# KiCad board EBAZ4205.kicad_pcb (continued)
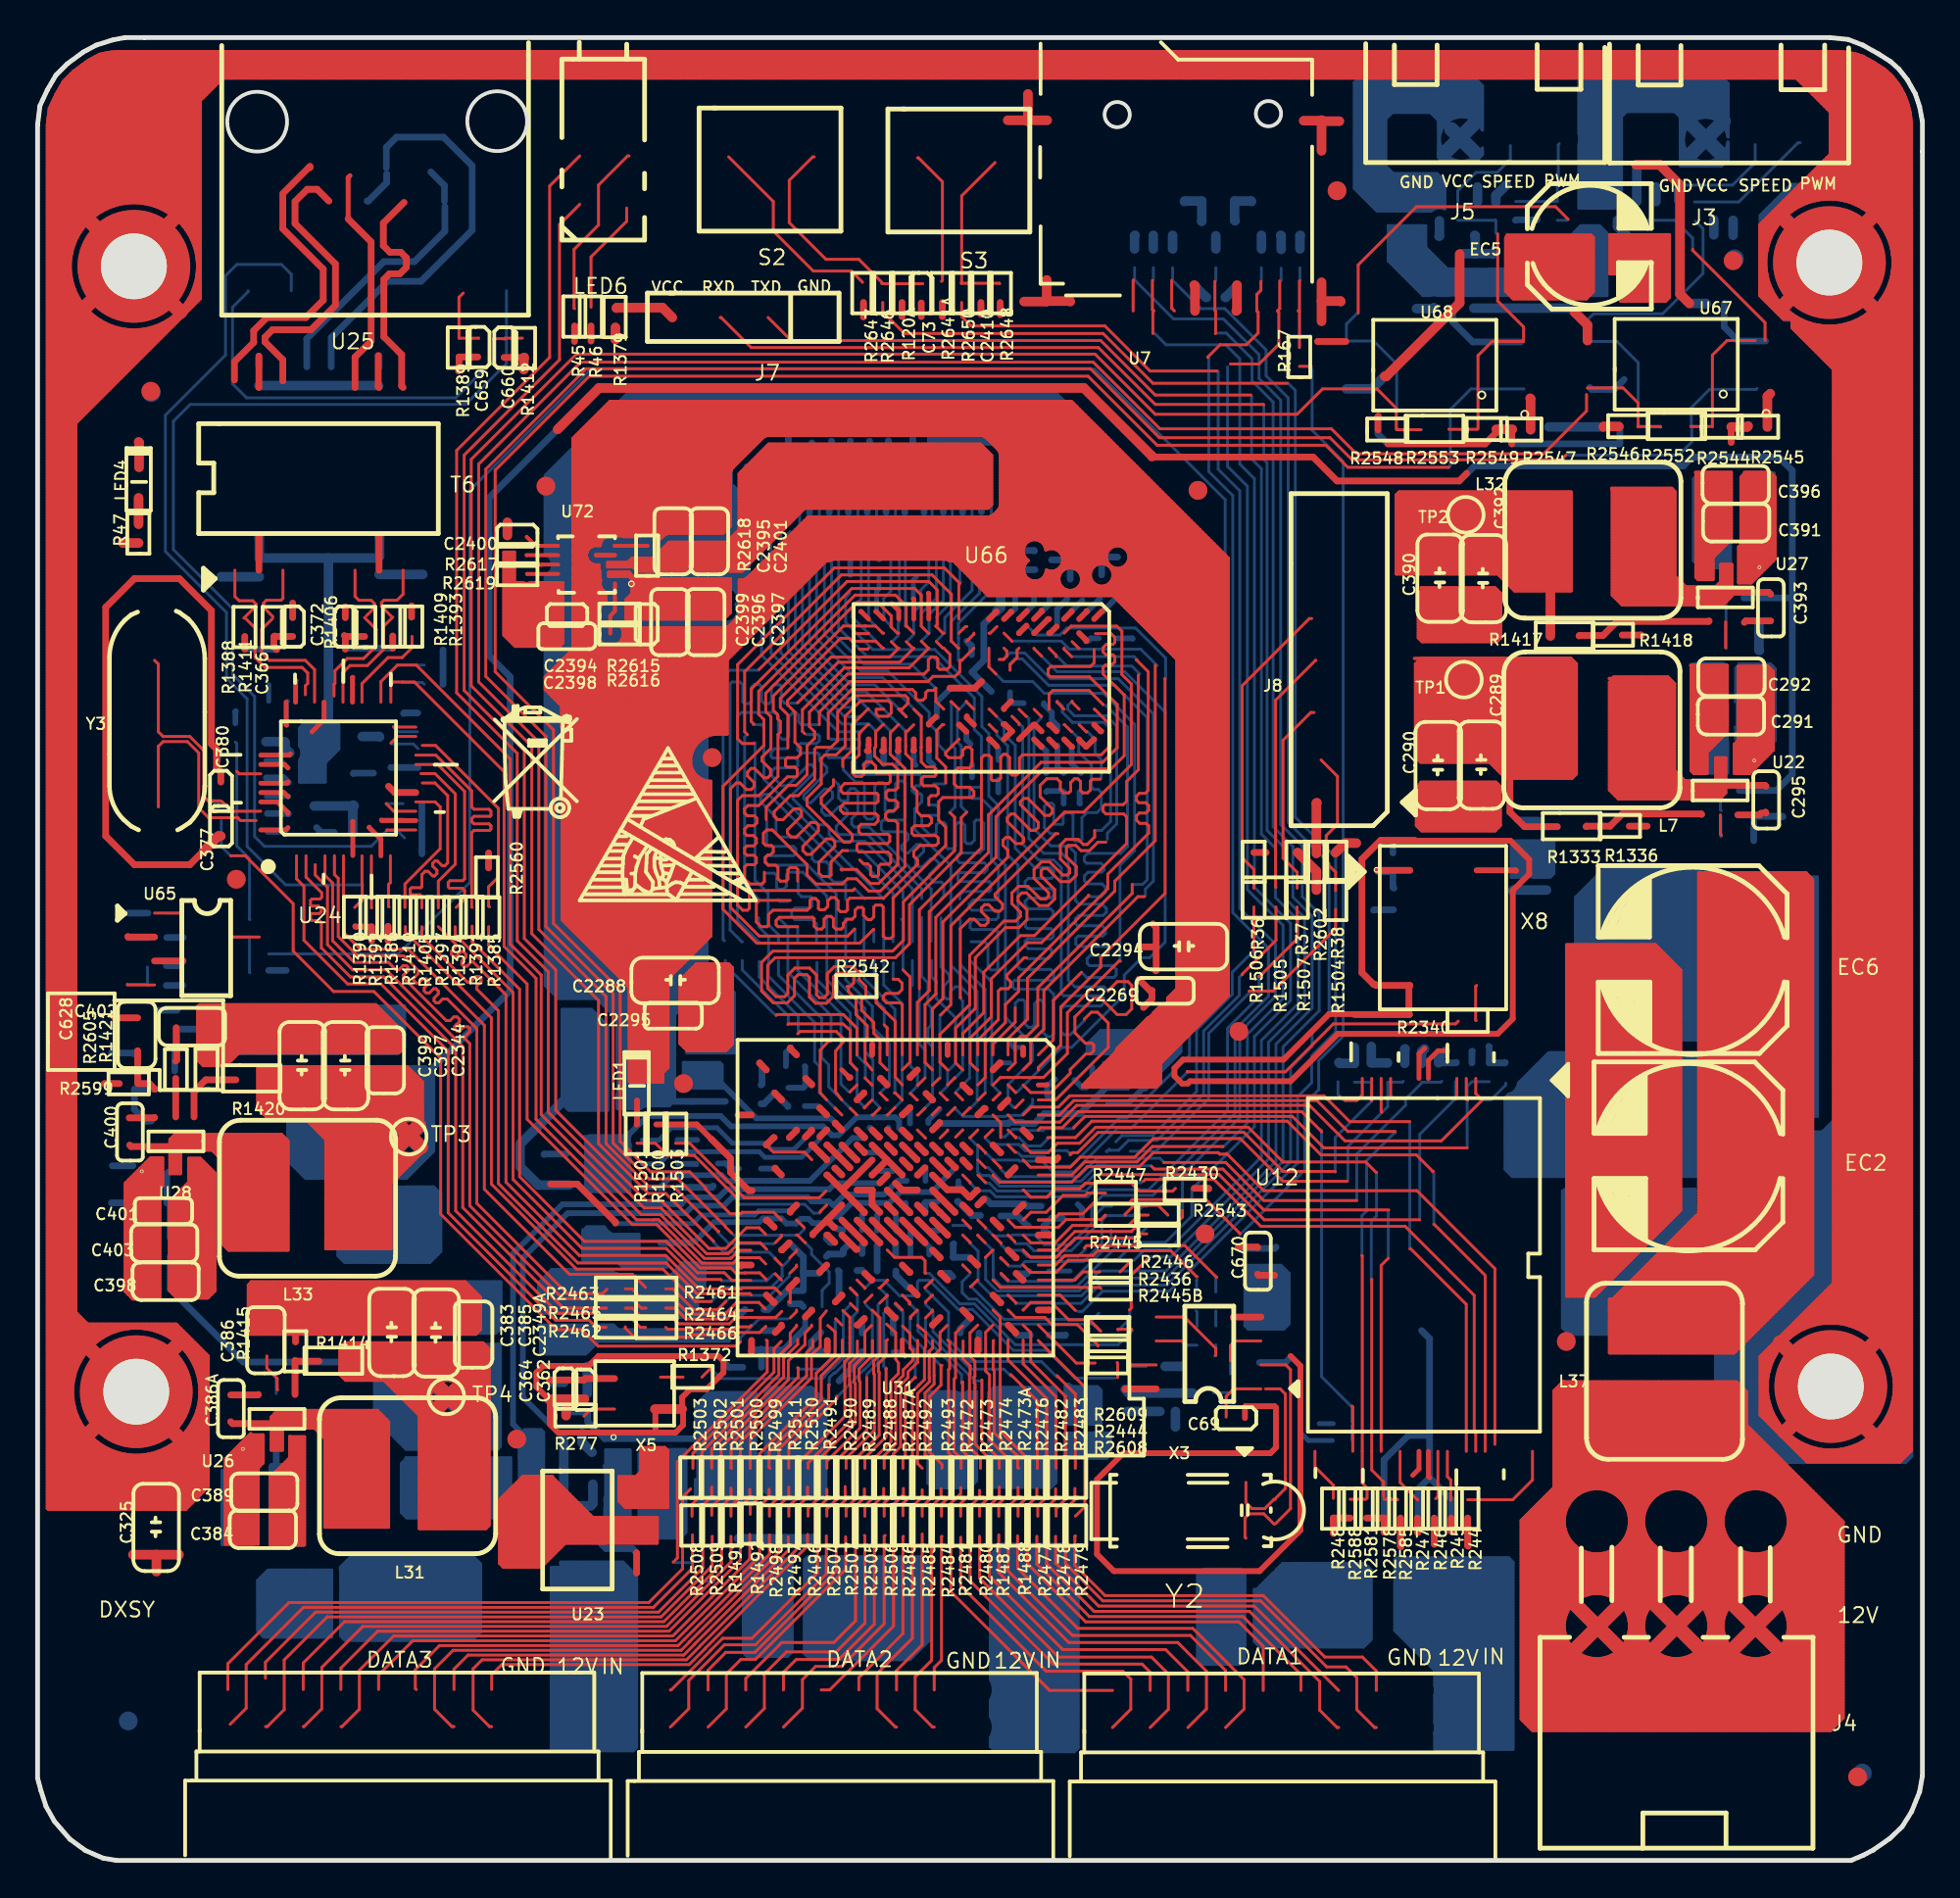
[diagram p0: board, top side]
## Routing (per net, layer and track width the routed paths; a pad name or vN(x,y) marks a point on that pad's centre or on a via; arc(x,y) is an arc through that point) (continued)
17.75,8.26 ; 59.41,0.53 59.41,6.17 ; 49.37,9.94 49.37,25.11 ; 2.94,33.42 7.81,33.42 ; 57.25,26.02 57.25,31.57 ; 21,6.75 21.31,6.75 ; 2.91,41.17 3.2,41.17 ; 2.81,71.27 8.27,71.27 ; 41.42,74.57 41.83,74.57 ; 40.09,59.58 40.79,59.58 ; 20.42,39.13 20.42,70.75 ; 41.12,91.63 41.12,95.51 ; 12.29,10.01 12.29,70.75 ; 52.97,24.02 69.59,24.02 ; 40.48,91.17 40.48,95.58 ; 2.95,30.37 8.33,30.37 ; 52.65,9.04 56.27,9.04 ; 57.25,45.99 64.2,45.99 ; 36.61,89.05 41.41,89.05 ; 51.53,33.93 73.2,33.93 ; 88.36,71.2 88.36,71.33 ; 50.64,32.44 50.64,32.55 ; 4.8,0.55 4.8,17.49 ; 61.56,7.93 61.56,8.19 ; 16.73,64.64 16.73,70.75 ; 44.66,46.76 45.16,46.76 ; 22.83,7.77 22.83,8.46 ; 35.53,24.88 35.53,26.04 ; 19.65,63.93 19.65,70.75 ; 14.96,90.89 14.96,96.32 ; 73.46,8.15 75.03,8.15 ; 19.78,0.54 19.78,6.27 ; 19.91,90.72 19.91,96.32 ; 30.7,0.54 30.7,33.53 ; 70.2,62.22 70.2,63.05 ; 11.84,84.22 12.86,84.22 ; 41.12,88.39 41.12,89.72 ; 68.39,51.46 82.43,51.46 ; 49.8,65.81 50.68,65.81 ; 43.4,75.08 43.4,87.02 ; 76.61,62.25 88.21,62.25 ; 2.26,2.94 2.26,17.44 ; 50.63,8.91 50.81,8.91 ; 45.45,74.57 45.86,74.57 ; 55.85,60.47 55.85,64.51 ; 61.99,94.89 69.87,94.89 ; 76.04,38.32 76.04,40.06 ; 62.45,0.53 62.45,6.55 ; 70.71,72.42 70.71,88.52 ; 61.28,34.44 71.55,34.44 ; 62.07,80.34 62.07,86.88 ; 73.37,39.14 85.48,39.14 ; 45.33,58.95 46.23,58.95 ; 19.65,9.88 19.65,13.86 ; 25.24,7.16 25.24,9.07 ; 19.08,7.13 19.23,7.13 ; 85.82,51.58 93.14,51.58 ; 67.28,56.78 67.28,58.36 ; 6.57,29.37 6.57,40.83 ; 51.57,37.1 58.91,37.1 ; 72.36,69.66 72.36,69.92 ; 74.13,60.6 74.38,60.6 ; 54.14,33.04 63.73,33.04 ; 69,71.39 69.65,71.39 ; 19.61,62.38 47.41,62.38 ; 88.94,71.14 93.09,71.14 ; 44.28,81.94 47.84,81.94 ; 32.35,21.94 32.35,87.85 ; 48.24,72.79 49.16,72.79 ; 47.59,33.04 47.59,36.74 ; 31.99,88.92 34.3,88.92 ; 75,17.8 73.63,17.8 73.63,27.81 ; 62.84,78.89 66.21,78.89 ; 65.14,95.65 69.86,95.65 ; 46.58,41.21 46.58,46.21 ; 50.62,9.29 50.82,9.29 ; 70.2,35.52 70.2,42.9 ; 37.42,89.94 40.68,89.94 ; 19.81,62.63 47.48,62.63 ; 60.04,0.53 60.04,6.67 ; 2.84,63.14 38.11,63.14 ; 45.69,65.17 45.69,65.44 ; 51.4,7.97 51.4,8.2 ; 19.27,64.66 21.26,64.66 ; 67.5,13.23 79.63,13.23 ; 37.69,0.54 37.69,6.17 ; 87.84,49.68 93.14,49.68 ; 25.62,9.85 25.62,64.47 ; 27.13,20.21 33.02,20.21 ; 61.52,9.93 62.91,9.93 ; 50.77,36.28 50.77,36.73 ; 43.95,59.71 44.57,59.71 ; 16.56,9.93 17.73,9.93 ; 53.69,38.86 53.69,40.91 ; 50.78,37.1 50.93,37.1 ; 52.38,29.48 54.93,29.48 ; 69.9,8.4 70.57,8.4 ; 40.36,43.5 40.36,43.62 ; 63.22,79.94 63.22,95.3 ; 59.28,50.24 59.28,51.19 ; 44.55,41.88 44.55,46.73 ; 23,7.51 23.32,7.51 ; 35.4,0.54 35.4,6.21 ; 44.42,49.94 44.42,59.76 ; 24.23,81.39 24.23,82.97 ; 52.13,25.67 53.88,25.67 ; 47.85,8.02 47.85,8.16 ; 60.29,23.37 60.29,37.03 ; 59.02,37.25 59.02,45.05 ; 2.8,73.68 8.27,73.68 ; 42.67,14.5 42.76,14.5 ; 36.99,29.61 38.82,29.61 ; 5.18,50.31 7.25,50.31 ; 16.48,0.55 16.48,6.26 ; 53.05,24.15 69.56,24.15 ; 76.17,61.7 76.17,61.98 ; 36.55,0.54 36.55,6.76 ; 39.35,74.57 39.76,74.57 ; 41.21,28.98 42.09,28.98 ; 58.39,38.16 58.39,46.57 ; 25.37,65.79 25.37,66 ; 86.71,53.05 86.71,78.15 ; 59,63.01 59.63,63.01 ; 23.21,84.31 23.21,91.19 ; 46.07,89.43 52.05,89.43 ; 12.98,91.21 23.19,91.21 ; 71.47,69.21 71.47,71.26 ; 19.4,40.82 19.4,62.33 ; 7.02,78.89 62.71,78.89 ; 2.87,52.22 17.01,52.22 ; 21.02,9.42 21.29,9.42 ; 14.83,9.72 14.83,59.75 ; 48.86,7.46 48.86,8.72 ; 68.68,7.82 68.68,8.31 ; 57.77,47.52 59.14,47.52 ; 45.27,58.82 46.3,58.82 ; 80.36,76.69 80.36,78.85 ; 20.59,38.88 40.76,38.88 ; 42.01,40.15 42.01,43.3 ; 71.33,40.66 72.39,40.66 ; 57.04,66.57 67.16,66.57 ; 67.91,59.75 67.91,60.45 ; 39.09,33.26 39.09,38.1 ; 10.26,76.56 10.26,91.34 ; 71.2,40.79 72.44,40.79 ; 48.61,9.31 48.61,34.12 ; 62.23,87.52 71.71,87.52 ; 47.72,37.1 47.72,38.2 ; 24.58,80.79 28.19,80.79 ; 26.17,20.34 26.69,20.34 ; 39.59,40.99 39.59,44.29 ; 48.03,65.3 49.31,65.3 ; 48.99,64.92 48.99,67.59 ; 71.34,69.49 71.34,70.98 ; 9.29,94.25 10.92,94.25 ; 44.41,9.67 45,9.67 ; 65.54,77.74 90.04,77.74 ; 25.5,66.65 25.5,82.8 ; 50.52,25.29 51.92,25.29 ; 44.13,61.11 45.91,61.11 ; 20.67,38.37 35.46,38.37 ; 88.86,70.38 89.05,70.38 ; 29.72,40.66 38.88,40.66 ; 67.66,0.53 67.66,6.25 ; 55.34,29.6 55.34,37.63 ; 52.41,29.74 66.08,29.74 ; 33.63,21.1 79.6,21.1 ; 41.05,33.93 47.78,33.93 ; 50.79,37.87 50.89,37.87 ; 43.37,14.5 65.34,14.5 ; 88.74,70.45 88.74,70.53 ; 7.34,29.37 7.34,42.84 ; 50.64,7.01 50.8,7.01 ; 70.96,69.81 70.96,70.66 ; 59.67,86.76 60.11,86.76 ; 48.85,62 49.21,62 ; 16.73,9.81 16.73,54.91 ; 87.22,50.05 87.22,50.53 ; 64.99,84.43 64.99,86.13 ; 53.82,65.77 53.82,68.85 53.44,68.85 ; 42.35,82.19 43.56,82.19 ; 36.16,7.89 37.21,7.89 ; 68.86,59.33 69.79,59.33 ; 23.08,9.16 23.24,9.16 ; 17.11,90.81 17.11,96.32 ; 66.77,9.86 66.77,13.17 ; 48.1,65.15 48.1,65.35 ; 60.93,88.68 60.93,94.53 ; 84.55,75.64 84.55,78.16 ; 83.54,37.22 83.54,50.58 ; 68.36,62.25 70.29,62.25 ; 71.42,61.74 73.96,61.74 ; 67.66,7.89 68.8,7.89 ; 55.85,47.53 55.85,50.99 ; 49.5,29.22 49.5,30.16 ; 14.23,19.96 25.65,19.96 ; 85.67,51.33 93.14,51.33 ; 34.01,0.54 34.01,6.23 ; 56.87,38.23 56.87,45.9 ; 65.63,9.88 65.63,14.26 ; 2.89,46.88 4.48,46.88 ; 19.12,59.71 37.45,59.71 ; 67.03,0.53 67.03,6.17 ; 51.54,38.25 51.76,38.25 ; 6.07,29.37 6.07,40.7 ; 86.08,39.72 86.08,78.15 ; 51.79,29.96 51.79,30.96 ; 65.76,93.89 65.76,95.71 ; 19.66,13.86 42.1,13.86 ; 36.87,88.54 41.15,88.54 ; 14.19,76.56 14.19,82.93 ; 35.02,23.33 35.02,23.81 ; 20.29,63.68 20.29,70.75 ; 18.64,15.88 18.64,39.44 ; 62.33,84.27 62.33,86.35 ; 67.41,79.66 67.41,83.78 ; 11.78,0.55 11.78,6.27 ; 56.42,21.48 56.73,21.48 ; 2.82,67.71 33.17,67.71 ; 75.91,8.4 79.65,8.4 ; 13.18,56.99 13.18,57.79 ; 22.32,10.01 22.32,23.97 ; 68.93,64.26 68.93,66.07 ; 46.71,67.53 46.71,87.26 ; 49.12,38.79 49.12,39.81 ; 49.59,62 51.54,62 ; 20.76,9.8 21.55,9.8 ; 55.25,61.36 56.34,61.36 ; 70.73,31.9 71.51,31.9 ; 8.48,31.28 8.48,31.91 ; 52.99,22.25 56,22.25 ; 13.18,84.42 13.18,91.43 ; 30.83,91.39 30.83,96.32 ; 4.69,70.51 11.39,70.51 ; 12.03,76.56 12.03,79.8 ; 46.97,58.95 47.93,58.95 ; 7.08,0.55 7.08,17.51 ; 25.83,83.84 58.05,83.84 ; 46.2,29.2 46.2,29.32 ; 13.64,60.47 18.58,60.47 ; 50.01,7.98 50.01,8.19 ; 40.61,9.21 40.61,25.86 ; 22.4,8.02 23.92,8.02 ; 22.68,7.89 23.65,7.89 ; 26.82,64.79 43.54,64.79 ; 36.42,0.54 36.42,6.54 ; 72.99,72.74 72.99,82.5 ; 40.26,31.01 41.29,31.01 ; 39.34,38.84 39.34,40.47 ; 34.47,9.55 34.88,9.55 ; 75.56,9.93 79.64,9.93 ; 70.58,72.43 70.58,82.13 ; 61.69,84.22 61.69,86.95 ; 62.91,84.35 64.84,84.35 ; 38.07,60.86 38.07,63.19 ; 47.09,25.86 47.09,28.52 ; 60.29,21.08 60.29,22.78 ; 70.87,32.15 71.49,32.15 ; 35.15,89.53 35.15,96.14 ; 50.64,25.61 50.64,31.76 ; 15.97,89.11 15.97,89.35 ; 7.72,34.04 7.72,42.99 ; 69.69,69.25 69.69,71.21 ; 37.01,46.38 46.53,46.38 ; 25.24,84.43 25.24,90.88 ; 63.52,9.93 64.92,9.93 ; 45.82,38.83 45.82,39.73 ; 47.09,46.76 58.23,46.76 ; 42.9,0.54 42.9,6.64 ; 90.5,75.59 92.23,75.59 ; 61.11,20.59 73.75,20.59 ; 48.19,37.23 48.68,37.23 ; 46.45,89.21 46.45,89.72 ; 70.45,43.38 70.45,53.87 ; 88.8,69.74 89.29,69.74 ; 37.18,27.93 37.18,33.2 ; 2.85,58.57 18.77,58.57 ; 58.52,36.31 58.52,37.71 ; 53,24.53 69.78,24.53 ; 68.99,64.03 69.66,64.03 ; 60.42,86.89 60.42,94.36 ; 84.3,75.84 84.3,78.16 ; 40.21,32.41 47.83,32.41 ; 45.44,44.56 45.44,46.52 ; 54.58,54.93 54.58,59.19 ; 20.8,9.77 20.8,70.75 ; 44.61,9.29 44.81,9.29 ; 1.91,9.67 9.39,9.67 ; 44.8,47.41 44.8,49.3 86.46,49.3 ; 48.39,26.06 51.44,26.06 ; 18,76.56 18,79.73 ; 51.59,32.28 55.61,32.28 ; 51.91,41.24 51.91,45 ; 65.37,84.33 65.37,86.2 ; 13.3,60.81 13.3,70.75 ; 41.86,31.01 43.71,31.01 ; 59.79,17.69 59.79,19.51 ; 59.7,84.22 59.98,84.22 ; 49.12,25.84 49.12,34.19 ; 65.88,31.54 65.88,83.75 ; 1.89,6.5 9.44,6.5 ; 36.9,88.41 41.12,88.41 ; 71.25,60.73 73.49,60.73 ; 13.02,7.39 13.25,7.39 ; 21.05,9.33 21.05,24.22 ; 20.16,90.92 20.16,96.32 ; 46.77,41.04 46.86,41.04 ; 11.78,9.96 11.78,70.06 ; 2.82,67.58 33.2,67.58 ; 66.52,86.64 66.52,95.79 ; 67.66,72.33 67.66,79.15 ; 52.29,38.82 52.29,39.79 ; 8.82,17.55 13.01,17.55 ; 56.1,51.73 56.1,54.46 ; 58.98,48.53 64.35,48.53 ; 27.09,7.01 27.25,7.01 ; 45.82,10 45.82,26.64 ; 86.84,53.05 86.84,78.15 ; 16.75,8.4 17.54,8.4 ; 42.43,72.16 42.82,72.16 ; 87.77,52.22 93.14,52.22 ; 2.9,43.33 7.02,43.33 ; 58.14,28.63 58.14,28.91 ; 65.76,15.04 65.76,17.34 ; 76.68,40.82 76.68,60.73 ; 83.41,52.03 83.41,75.92 ; 83.15,36.85 83.15,50.68 ; 45.18,40.22 45.18,40.59 ; 50.13,36.29 50.13,36.66 ; 43.91,29.23 43.91,29.33 ; 45.44,72.67 45.44,74.55 ; 88.75,63.39 93.11,63.39 ; 21.18,76.56 21.18,87.53 ; 81.76,36.01 81.76,78.18 ; 33.12,0.54 33.12,6.36 ; 86.84,40.46 86.84,48.67 ; 10.12,23.52 35.24,23.52 ; 9.29,92.73 9.82,92.73 ; 43.15,49.8 43.15,51.5 ; 3.77,41.68 28.57,41.68 ; 44.27,72.79 45.11,72.79 ; 43.91,53.62 43.91,59.7 ; 37.06,81.55 38.14,81.55 ; 36.26,44.09 40.07,44.09 ; 23.97,0.54 23.97,6.22 ; 69.69,9.86 69.69,23.88 ; 53.06,0.53 53.06,21.86 ; 48.1,45.42 48.1,57.03 ; 37.3,36.72 42.86,36.72 ; 44.38,32.79 45.22,32.79 ; 66.01,0.53 66.01,6.58 ; 61.39,88.16 71.07,88.16 ; 48.48,75.07 48.48,81.97 ; 69.95,62.05 69.95,63.22 ; 90.77,44.33 90.77,77.02 ; 14.97,60.22 18.58,60.22 ; 71.34,72.03 72.25,72.03 ; 76.24,62 87.97,62 ; 76.93,71.65 88.18,71.65 ; 41.76,60.09 41.93,60.09 ; 68.96,58.57 69.69,58.57 ; 37.82,9.99 37.82,26.72 ; 39.85,59.61 39.85,72.04 ; 34.26,7.82 34.26,8.35 ; 2.93,35.2 37.13,35.2 ; 85.06,38.72 85.06,50.78 ; 72.87,72.65 72.87,86.36 ; 12.29,94.32 12.29,96.32 ; 48.35,39.9 48.47,39.9 ; 43.49,53.74 64.99,53.74 ; 35.02,44.28 35.02,67.45 ; 8.11,46.5 36.26,46.5 ; 33.37,82.96 33.37,96.32 ; 45.14,35.83 45.32,35.83 ; 56.31,51.46 58.54,51.46 ; 28.92,80.67 29.12,80.67 ; 42.91,24.79 51.67,24.79 ; 17.75,80.22 17.75,87.42 ; 72.69,71.39 73,71.39 ; 48.33,72.03 49.07,72.03 ; 53.74,88.92 70.31,88.92 ; 49.5,8 49.5,8.17 ; 66.27,86.13 67.08,86.13 ; 57.5,7.95 57.5,8.17 ; 15.59,89.25 15.59,90.05 ; 8.55,80.41 11.53,80.41 ; 17.07,9.16 17.22,9.16 ; 83.03,36.72 83.03,50.66 ; 17.62,76.56 17.62,87.4 ; 62.37,95.02 69.86,95.02 ; 23.59,94.23 23.59,96.32 ; 27.27,25.97 27.27,26.98 ; 49.94,35.83 50.12,35.83 ; 71.72,77 71.72,78.61 ; 53.94,41.63 53.94,54.48 ; 9.29,89.43 13.84,89.43 ; 52.93,48.3 52.93,60.65 ; 13.1,91.33 23.06,91.33 ; 67.79,7.82 67.79,8.31 ; 44.29,72.78 44.29,74.46 ; 2.89,46.38 4.47,46.38 ; 56.86,36.34 58.54,36.34 ; 36.29,29.96 36.29,30.49 ; 1.95,17.04 13.61,17.04 ; 35.66,22.88 51.73,22.88 ; 67.31,83.71 75.51,83.71 ; 56.99,54.58 56.99,60.07 ; 47.79,90.44 50.41,90.44 ; 44.1,29.23 46.24,29.23 ; 65.37,7.99 65.37,8.13 ; 45.63,64.54 46.02,64.54 ; 54.71,68.51 54.71,94.08 ; 28.67,0.54 28.67,6.34 ; 35.42,22.75 51.68,22.75 ; 27.02,7.5 27.02,8.73 ; 30.5,33.29 35.64,33.29 ; 64.32,33.55 74.05,33.55 ; 42.9,72.72 42.9,74.48 ; 42.77,29.06 42.77,32.71 ; 20.29,8.04 20.29,8.18 ; 72.04,32.41 72.66,32.41 ; 43.23,54.12 56.51,54.12 ; 41.63,91.61 41.63,95.46 ; 4.16,1 4.16,17.48 ; 70.35,54.5 89.21,54.5 ; 13.43,7.73 13.43,8.5 ; 63.34,38.29 63.34,79.25 ; 51.4,59.08 53.14,59.08 ; 14.98,7.51 15.3,7.51 ; 52.79,22.37 55.91,22.37 ; 46.07,75.18 46.07,86.77 ; 19.4,7.67 19.4,8.56 ; 38.2,7.88 38.2,8.3 ; 51.15,60.45 51.15,60.53 ; 57.2,22.75 60.32,22.75 ; 50.01,31.39 50.01,31.97 ; 61.44,31.37 61.44,41.71 ; 71.09,9.97 71.09,30.54 ; 2.94,32.79 8.33,32.79 ; 10.64,9.87 10.64,49 ; 28.16,0.54 28.16,6.2 ; 58.39,26.62 58.39,27.89 ; 12.84,91.08 23.34,91.08 ; 45.9,47.01 45.99,47.01 ; 48.71,62.76 49.83,62.76 ; 45.73,32.53 47.08,32.53 47.09,31.64 44.04,31.64 ; 65.76,31.54 65.76,53.55 ; 72.99,69.72 72.99,69.95 ; 12.03,70.75 17.92,70.75 ; 55.22,59.58 67.53,59.58 ; 30.7,91.24 30.7,96.32 ; 47.31,65.43 47.53,65.43 ; 67.58,86.38 72.85,86.38 ; 60.29,37.42 60.29,62.61 ; 24.61,0.54 24.61,6.31 ; 42.9,54.09 42.9,57.83 ; 20.16,8.05 20.16,8.17 ; 30.2,33.86 30.2,96.32 ; 15.97,76.56 15.97,87.54 ; 2.92,37.49 43.66,37.49 ; 13.36,91.71 22.8,91.71 ; 53.82,64.17 53.82,65.58 ; 24.6,81.17 28.35,81.17 ; 71.63,76.6 80.17,76.6 ; 49.33,72.03 50.12,72.03 ; 42.01,75.2 42.01,81.4 ; 10.51,94 10.51,96.32 ; 19.78,7.98 19.78,8.25 ; 40.61,44.36 40.61,49.29 ; 70.84,32.36 70.84,40.09 ; 48.29,6.37 49.15,6.37 ; 89.01,71.01 93.09,71.01 ; 70.71,32.52 70.71,40.19 ; 52.42,61.24 52.42,65.38 ; 39.46,29.99 43.01,29.99 ; 1.94,16.15 31.55,16.15 ; 52.67,48.44 52.67,60.51 ; 44.67,30.86 44.67,35.71 ; 21.56,64.82 21.56,87.4 ; 48.27,60.85 50.63,60.85 ; 49.72,29.23 54.83,29.23 ; 71.61,36.47 73.94,36.47 ; 29.25,41.42 42.9,41.42 ; 53.2,38.63 53.39,38.63 ; 56.18,32.53 70.26,32.53 ; 84.57,75.59 89.75,75.59 ; 42.03,38.63 43.66,38.63 ; 42.51,7.54 42.51,8.64 ; 64.87,7.93 64.87,8.19 ; 58.26,63.28 58.26,63.61 ; 68.39,68.09 70.26,68.09 ; 49.17,37.1 49.26,37.1 ; 52.41,40.15 69.35,40.15 ; 77.31,0.52 77.31,42.94 ; 41.95,31.39 43.66,31.39 ; 2.95,30.75 8.43,30.75 ; 40.36,26.61 40.36,28.76 ; 10,49.43 10,53.17 ; 78.58,0.52 78.58,52.29 ; 88.94,73.17 93.08,73.17 ; 2.87,53.87 10.23,53.87 ; 36.29,9.77 36.29,23.54 ; 70.62,82.19 77.03,82.19 ; 23.6,83.59 24.02,83.59 ; 26.84,65.55 43.3,65.55 ; 64.99,0.53 64.99,6.18 ; 51.28,60.6 51.6,60.6 ; 4.67,49.55 4.67,50.05 ; 10.26,8.04 10.26,8.18 ; 36.75,82.95 38.45,82.95 ; 10.56,49.42 40.13,49.42 ; 31.59,91.65 31.59,96.32 ; 7.34,0.55 7.34,17.51 ; 9.29,89.05 14.89,89.05 ; 19.15,40.01 19.15,40.26 ; 58.52,29.5 58.52,31.69 ; 55.31,62 67.39,62 ; 73.5,9.94 73.5,17.06 ; 43.53,49.96 43.53,51.34 ; 59.66,63.07 59.66,63.28 ; 13.68,55.14 16.42,55.14 ; 18.92,55.01 38.71,55.01 ; 76.36,74.06 93.08,74.06 ; 1.9,7.89 9.61,7.89 ; 20.42,9.99 20.42,37.87 ; 21.32,74.57 38.75,74.57 ; 19.27,90.69 19.27,96.32 ; 61.44,84.23 61.44,94.71 ; 19.32,60.22 37.51,60.22 ; 47.72,41.9 47.72,44.85 45.17,44.85 ; 60.68,23.45 60.68,27.34 ; 2.82,69.36 52.85,69.36 ; 22.6,25.04 22.86,25.04 ; 68.97,68.73 69.68,68.73 ; 69.81,40.79 70.8,40.79 ; 51.46,33.17 51.76,33.17 ; 45.53,72.28 45.77,72.28 ; 47.18,66.06 49.34,66.06 ; 46.2,7.89 46.2,8.29 ; 26.85,6.5 27.49,6.5 ; 89.54,59.84 93.12,59.84 ; 58.52,49.01 58.52,51.21 ; 49.83,8.02 51.61,8.02 ; 47.59,91.23 47.59,94.83 ; 27.1,7.13 27.25,7.13 ; 1.95,16.66 31.6,16.66 ; 19.27,90.7 19.89,90.7 ; 22.45,6.24 23.88,6.24 ; 10.99,57.93 13,57.93 ; 19.09,58.44 42.52,58.44 ; 32.24,16.53 59.58,16.53 ; 51.64,32.15 57.01,32.15 ; 54.13,38.37 57,38.37 ; 44.55,0.54 44.55,6.71 ; 61.36,27.33 79.58,27.33 ; 42.26,7.84 42.26,8.34 ; 13.42,93.24 22.71,93.24 ; 49.25,64.23 49.25,65.32 ; 40.33,50.82 70.79,50.82 ; 60.55,84.44 60.55,86.14 ; 52.3,90.32 69.9,90.32 ; 37.43,9.97 37.43,27.21 ; 74.14,7.33 74.14,8.8 ; 52.3,90.95 69.89,90.95 ; 33.62,21.11 33.62,21.55 ; 21.95,64.54 25.44,64.54 ; 69.18,37.02 69.18,40.43 ; 29.43,88.87 29.43,90 ; 68.93,59.19 68.93,61.01 ; 18.77,15.89 18.77,39.42 ; 64.88,78.25 66.37,78.25 ; 71.5,56.54 93.12,56.54 ; 48.27,38.76 48.55,38.76 ; 87.35,40.96 87.35,48.66 ; 24.1,83.92 24.1,90.74 ; 2.95,29.99 8.5,29.99 ; 59.75,86.63 60.03,86.63 ; 11.02,7.39 11.24,7.39 ; 63.06,81.17 78.04,81.17 ; 20.04,8.05 20.04,8.18 ; 33.7,20.59 59.54,20.59 ; 34.77,89.38 34.77,96.18 ; 48.23,57.73 48.23,58.59 ; 38.2,9.85 38.2,26.75 ; 46.58,30.85 46.58,36.51 ; 33.62,20.66 33.62,20.93 ; 33.37,22.02 33.37,67.39 ; 71.34,57.23 71.34,58.31 93.12,58.31 ; 55.21,60.42 55.21,61.34 ; 17.04,55.01 18.15,55.01 ; 46.83,0.54 46.83,6.81 ; 55.68,47.65 57.28,47.65 ; 68.75,60.73 69.9,60.73 ; 2.8,74.57 8.27,74.57 ; 68.84,55.77 69.65,55.77 ; 59.28,47.68 59.28,49.46 ; 10,10.02 10,18.77 ; 39.07,52.6 42.39,52.6 ; 40.34,7.77 41.05,7.77 ; 83.58,76.6 91.2,76.6 ; 41.88,60.07 41.88,60.17 ; 76.17,38.31 76.17,40.06 ; 48.64,7.13 48.79,7.13 ; 3.01,29.74 35.46,29.74 ; 51.53,32.35 51.53,32.6 ; 48.61,0.53 48.61,6.86 ; 61.37,27.71 79.58,27.71 ; 50.64,34.02 50.64,34.91 ; 1.88,3.58 79.67,3.58 ; 42.9,37.09 42.9,39.85 ; 39.34,31.64 39.79,31.64 ; 71.33,31.14 79.56,31.14 ; 33.78,19.71 59.6,19.71 ; 20.69,6.37 21.62,6.37 ; 59.28,51.41 59.28,63.28 ; 52.42,37.84 52.42,38.38 ; 42.77,33.09 42.77,39.02 ; 40.77,49.42 43.11,49.42 ; 14.24,16.78 59.47,16.78 ; 2.88,50.57 4.43,50.57 ; 1.88,4.72 79.66,4.72 ; 43.78,61.58 43.78,64.08 ; 36.73,44.98 38.91,44.98 ; 36.75,81.3 38.45,81.3 38.45,63.79 ; 65.12,53.95 65.12,77.1 ; 45.28,72.03 45.96,72.03 ; 62.33,80.39 62.33,81.09 ; 1.88,4.97 79.66,4.97 ; 34.13,68.12 34.13,81.27 ; 13.29,91.59 22.87,91.59 ; 75.92,0.53 75.92,6.43 ; 68.04,52.04 68.04,55.37 ; 18.89,59.86 18.89,59.96 ; 73.31,71.39 75.2,71.39 ; 47.47,38 47.47,38.24 ; 12.95,8.66 13.32,8.66 ; 46.2,37.2 46.2,38.15 ; 46.61,6.88 46.81,6.88 ; 54.33,66.05 54.33,69.11 ; 2.84,63.65 19.51,63.65 ; 53.94,61.95 53.94,63.78 ; 45.46,72.16 45.82,72.16 ; 10.89,60.98 43.41,60.98 ; 37.06,67.2 46.21,67.2 ; 13.69,76.56 13.69,82.64 ; 20.28,63.52 38.03,63.52 ; 74.01,36.97 74.01,60.52 ; 75.64,17.42 79.61,17.42 ; 58.77,63.49 58.77,63.59 ; 64.1,46.41 64.1,46.76 ; 15.21,90.67 15.21,96.32 ; 60.47,84.48 74.75,84.48 ; 7.77,50.06 59.02,50.06 ; 37.43,35.17 37.43,59.73 ; 19.4,15.02 19.4,15.13 ; 61.18,34.9 61.18,41.61 ; 39.39,29.36 42.94,29.36 ; 20.67,7.9 20.67,8.33 ; 69.85,7.77 70.62,7.77 ; 69.67,7.89 70.8,7.89 ; 47.85,26.63 47.85,31.78 ; 59.79,37.58 59.79,47.08 ; 50.9,91.48 50.9,94.48 ; 4.8,47.02 4.8,48.78 ; 49.75,61.82 49.75,65.46 ; 17.06,7.01 17.23,7.01 ; 50.9,60.45 50.9,60.53 ; 52.17,89.47 52.17,90.05 ; 48.61,57.62 48.61,58.7 ; 41.24,0.54 41.24,6.29 ; 56.74,93.55 56.74,93.93 ; 34.51,0.54 34.51,6.7 ; 42.82,39.39 47.67,39.39 ; 18.89,64.92 18.89,70.75 ; 43.41,54 56.56,54 ; 12.92,0.55 12.92,6.64 ; 72.15,7.26 72.34,7.26 ; 72.11,72.52 72.11,75.1 ; 14.07,76.56 14.07,82.82 ; 2.95,30.88 8.37,30.88 ; 47.5,30.75 49.33,30.75 ; 14.75,8.4 15.53,8.4 ; 38.96,31.59 38.96,31.79 ; 61.18,42.39 61.18,83.71 ; 2.91,41.3 3.16,41.3 ; 85.65,51.96 86.38,51.96 ; 22.83,26.3 22.83,82.64 ; 13.06,9.04 13.21,9.04 ; 13.69,84.46 13.69,89.61 ; 14.96,60.24 14.96,70.75 ; 50.65,7.13 50.8,7.13 ; 71.22,9.98 71.22,30.6 ; 44.93,89.38 44.93,95.11 ; 18.26,80.47 18.26,87.74 ; 32.35,88.45 32.35,90.43 ; 41.12,83 41.12,87.91 ; 54.33,69.34 54.33,94.12 ; 44.17,34.86 44.17,37.32 ; 88.87,71.39 93.08,71.39 ; 33.37,9.95 33.37,19.33 ; 22.19,25.46 22.19,82.76 ; 25.86,83.71 59.25,83.71 ; 44.04,82.53 44.04,95.2 ; 34.56,67.58 34.94,67.58 ; 43.97,65.43 44.32,65.43 ; 77.38,61.11 93.11,61.11 ; 12.92,20.1 12.92,25.3 ; 52.29,9.81 52.29,21.97 ; 41.49,74.82 41.73,74.82 ; 63.03,86.25 64.82,86.25 ; 58.4,92.98 64.55,92.98 ; 67.53,72.25 67.53,79.21 ; 2.94,33.04 8.25,33.04 ; 64.24,47.52 93.15,47.52 ; 2.85,58.06 10.22,58.06 ; 40.74,34.03 40.74,38.12 ; 46.2,29.97 46.2,30.16 ; 70.83,32.02 71.48,32.02 ; 59.7,47.01 63.73,47.01 ; 11.53,9.8 11.53,70.14 ; 49.1,41.93 60.79,41.93 ; 68.42,51.78 68.42,55.44 ; 69.74,8.28 70.73,8.28 ; 12.03,0.55 12.03,6.2 ; 76.68,63.32 76.68,70.99 ; 72.26,32.15 79.56,32.15 ; 10.76,64.77 10.76,70.75 ; 17.5,14.53 17.5,15.12 ; 2.85,58.31 10.4,58.31 ; 44.93,75.15 44.93,86.82 ; 9.28,87.14 34.49,87.14 ; 44.29,65.95 44.29,66.26 ; 80.82,76.35 82.93,76.35 ; 50.78,35.83 58.56,35.83 ; 33.24,7.92 33.24,8.25 ; 47.72,10 47.72,31.93 ; 47.21,34.87 47.21,36.48 ; 2.75,2.43 79.67,2.43 ; 24.13,24.4 35.37,24.4 ; 69.06,37.04 69.06,96.04 ; 15.85,89.17 16.46,89.17 ; 53.08,24.28 69.57,24.28 ; 48.74,62.75 48.74,63.67 ; 26.78,66.44 36.28,66.44 ; 35.53,9.99 35.53,22.79 ; 2.88,50.19 4.49,50.19 ; 42.83,39.14 47.68,39.14 ; 75.53,61.62 75.53,62.05 ; 36.12,68.09 48.7,68.09 ; 68.17,0.53 68.17,22.86 ; 19.53,63.75 19.53,70.75 ; 21.18,89.12 21.18,89.37 ; 45.81,46.63 46.6,46.63 ; 74.39,37.05 74.39,60.59 ; 59.34,32.15 70.08,32.15 ; 74.64,34.06 80.31,34.06 ; 87.98,62.01 87.98,63.25 ; 43.44,14.37 65.43,14.37 ; 44.93,59.45 44.93,59.85 ; 2.85,60.47 12.86,60.47 ; 40.98,33.29 45.55,33.29 ; 78.81,55.01 93.13,55.01 ; 59.28,37.34 59.28,47.02 ; 3.79,41.04 5.86,41.04 ; 14.29,18.05 65.34,18.05 ; 6.73,44.98 35.6,44.98 ; 39.72,0.54 39.72,6.17 ; 62.71,38.14 62.71,78.89 ; 89.82,54.25 93.13,54.25 ; 90.39,75.76 90.39,77.4 ; 50.01,34.57 50.01,35.2 ; 37.69,27.87 37.69,59.54 ; 48.1,62.65 48.1,64.6 ; 13.05,7.01 13.22,7.01 ; 32.61,0.54 32.61,20.65 ; 75.64,17.55 79.61,17.55 ; 48.43,39.39 55,39.39 ; 33.62,10 33.62,15.54 ; 16.39,88.16 16.62,88.16 ; 69,56.41 69.65,56.41 ; 67.59,13.36 79.63,13.36 ; 49.88,25.71 49.88,28.54 ; 66.03,6.62 66.42,6.62 ; 43.91,75.14 43.91,81.76 ; 61.31,0.53 61.31,6.15 ; 80.74,34.48 80.74,76.07 ; 52.55,9.5 52.55,21.63 ; 76.62,63.39 87.96,63.39 ; 52.55,23.53 52.55,23.92 ; 22.7,7.88 22.7,8.35 ; 90.14,64.79 90.14,75.08 ; 87.06,51.71 87.17,51.71 ; 66.39,30.8 66.39,78.25 ; 66.9,86.75 66.9,95.83 ; 12.54,94.21 12.54,96.32 ; 40.86,72.73 